# Allegro board ad-fmcmotcon1-ebz_layout.brd (continued)
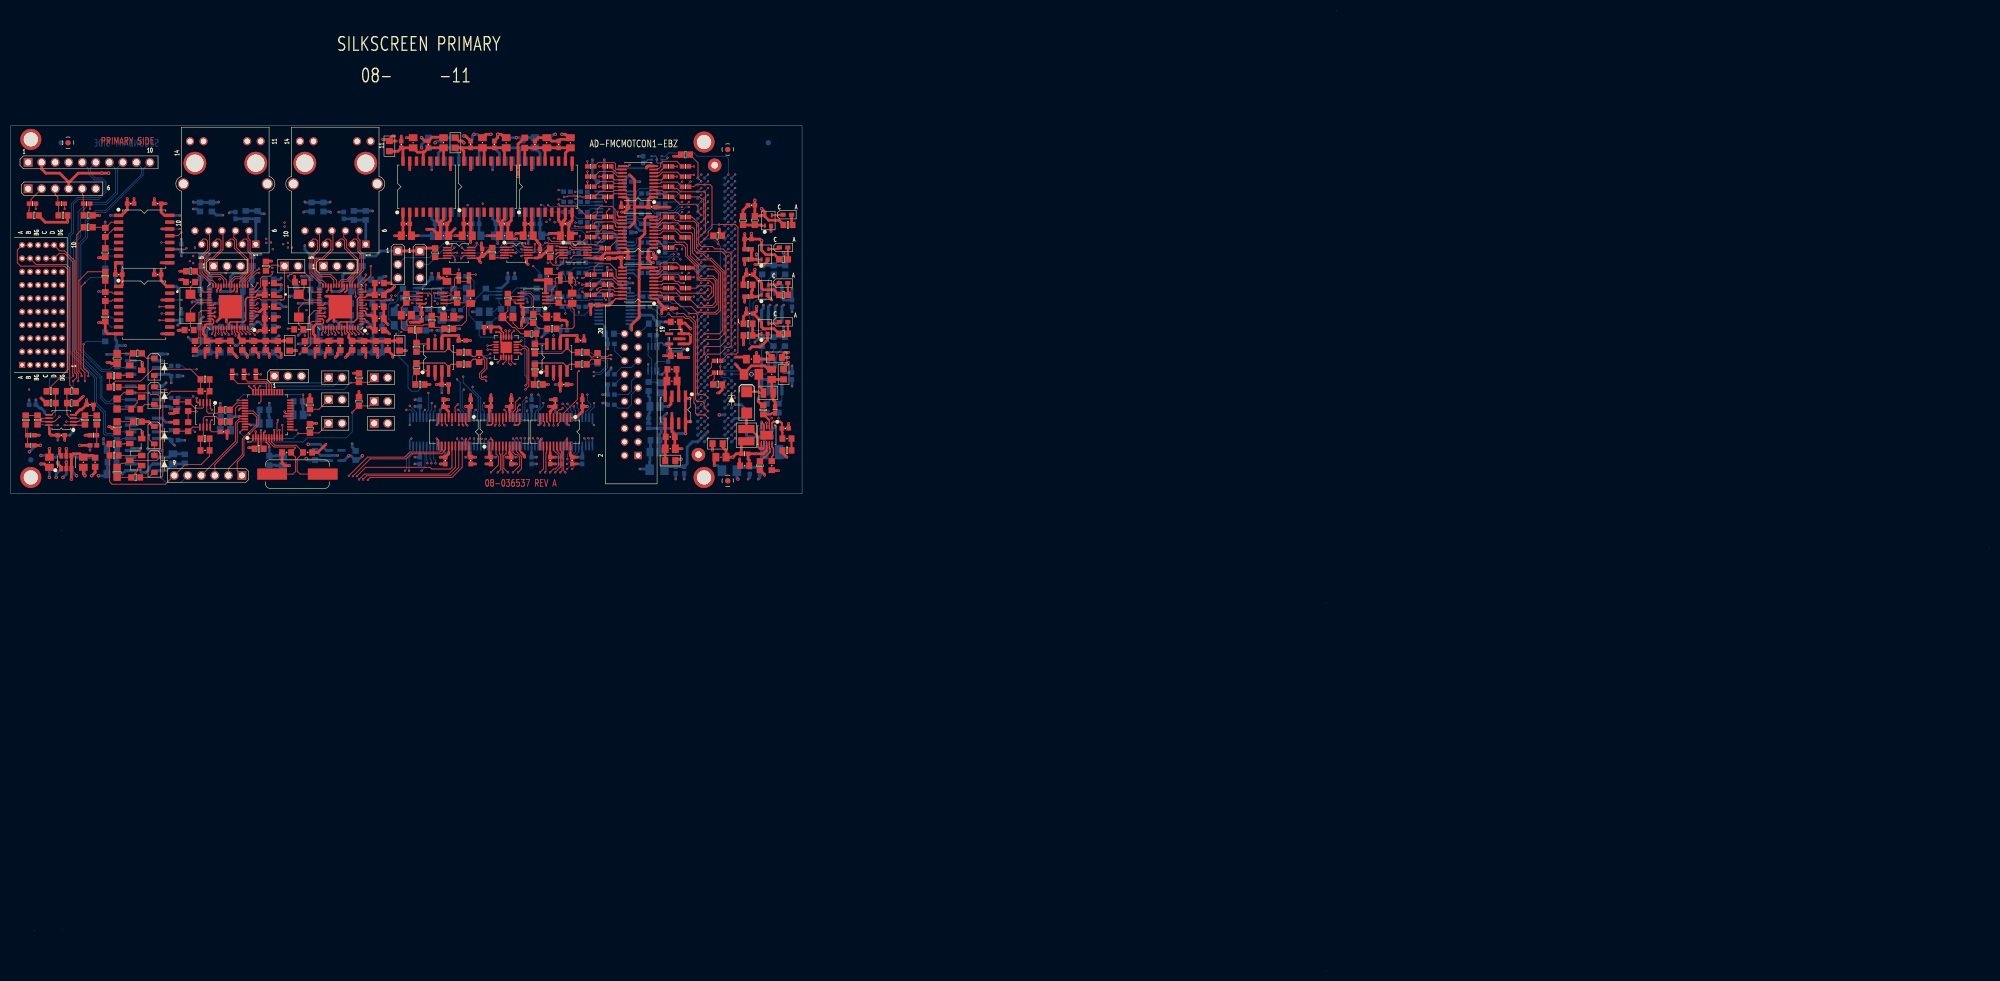
[diagram p0: board, top side]
## Routing (per net, layer and track width the routed paths; a pad name or vN(x,y) marks a point on that pad's centre or on a via; arc(x,y) is an arc through that point) (continued)
UNNAMED_2_ADG3308V2_I297_A2: length 2.5
  BOTTOM w0.152: R225.2 118.36,145.92 117.45,145.01 U7.3
UNNAMED_2_ADG3308V2_I297_A3: length 5.9
  BOTTOM w0.152: R224.2 121.54,144.02 120.65,144.91 117.85,144.91 117.31,144.36 U7.4
UNNAMED_2_ADG3308V2_I297_A4: length 2.3
  BOTTOM w0.152: 118.09,143.71 R237.2 ; 118.09,143.71 118.08,143.71 ; 118.09,143.71 118.08,143.7 118.08,143.71 ; 118.08,143.71 U7.5
UNNAMED_2_ADG3308V2_I297_A5: length 5.7
  BOTTOM w0.152: U7.6 120.06,143.06 121.01,142.11 R51.2
UNNAMED_2_ADG3308V2_I297_A6: length 2.3
  BOTTOM w0.152: R68.2 118.11,142.41 U7.7
UNNAMED_2_ADG3308V2_I297_A7: length 6
  BOTTOM w0.152: R39.2 121.54,140.21 120.52,141.22 117.84,141.22 117.31,141.76 U7.8
UNNAMED_2_ADG3308V2_I297_A8: length 2.5
  BOTTOM w0.152: U7.9 117.46,141.11 118.36,140.21 R238.2
UNNAMED_2_ADG3308V2_I297_Y1: length 2.4
  BOTTOM w0.152: R227.2 108.28,146.24 108.86,145.66 U7.19
UNNAMED_2_ADG3308V2_I297_Y2: length 5.8
  BOTTOM w0.152: R226.2 105.11,146.24 105.8,145.54 106.91,145.54 107.42,145.03 108.81,145.03 108.84,145.01 U7.18
UNNAMED_2_ADG3308V2_I297_Y3: length 2.2
  BOTTOM w0.152: R228.2 109.33,144.34 109.35,144.36 U7.17
UNNAMED_2_ADG3308V2_I297_Y4: length 5.6
  BOTTOM w0.152: U7.16 109.01,143.71 108.94,143.64 106.42,143.64 105.73,144.34 R241.2
UNNAMED_2_ADG3308V2_I297_Y5: length 2.4
  BOTTOM w0.152: U7.15 108.87,143.06 R246.2
UNNAMED_2_ADG3308V2_I297_Y6: length 6.3
  BOTTOM w0.152: U7.14 110.35,142.37 109.45,142.37 108.31,141.22 106.31,141.22 105.11,142.43 R242.2
UNNAMED_2_ADG3308V2_I297_Y7: length 2.7
  BOTTOM w0.152: U7.13 109.64,141.76 108.86,140.98 108.86,140.95 108.44,140.53 R247.2
UNNAMED_2_ADG3308V2_I297_Y8: length 7.4
  BOTTOM w0.152: R243.2 105.07,139.64 105.38,139.32 108.31,139.32 109.19,140.21 109.19,140.72 109.59,141.11 U7.12
UNNAMED_2_ADG3308V2_I389_A1: length 6.4
  BOTTOM w0.152: R52.2 121.86,126.56 120.9,127.51 118.19,127.51 117.43,126.75 117.07,126.75 116.93,126.61 U49.2
UNNAMED_2_ADG3308V2_I389_A2: length 2.7
  BOTTOM w0.152: U49.3 116.92,125.96 117.07,126.11 117.61,126.11 118.06,126.56 R239.2
UNNAMED_2_ADG3308V2_I389_A3: length 6.2
  BOTTOM w0.152: U49.4 117.79,125.31 118.08,125.6 120.9,125.6 121.86,124.65 R64.2
UNNAMED_2_ADG3308V2_I389_A4: length 2.5
  BOTTOM w0.152: U49.5 117.29,124.66 117.3,124.65 R240.2
UNNAMED_2_ADG3308V2_I389_Y1: length 2.5
  BOTTOM w0.152: R248.2 107.98,126.61 U49.19
UNNAMED_2_ADG3308V2_I389_Y2: length 6
  BOTTOM w0.152: R244.2 104.79,126.56 105.5,125.84 108.56,125.84 108.67,125.96 U49.18
UNNAMED_2_ADG3308V2_I389_Y3: length 2.7
  BOTTOM w0.152: U49.17 108.62,125.31 107.96,124.65 R249.2
UNNAMED_2_ADG3308V2_I389_Y4: length 7.1
  BOTTOM w0.152: U49.16 109.27,124.66 107.67,123.06 106.02,123.06 105.07,124.02 105.07,124.33 R245.2
UNNAMED_2_ADM108X_I197_CEXT: length 1.9
  BOTTOM w0.254: A1.5 119.67,152.27 119.35,151.96 119.04,151.96 C20.1
UNNAMED_3_AD7401_I33_VIN: length 5.3
  TOP w0.152: R77.2 17.65,139.57 C24.1 17.81,139.47 18.86,140.53 U8.2
UNNAMED_3_AD7401_I33_VIN_1: length 5.2
  TOP w0.152: R78.2 C24.2 17.81,137.77 19.29,139.26 U8.3
UNNAMED_3_AD7401_I90_VIN: length 4.7
  TOP w0.152: R79.2 C25.1 18.95,127.41 19.16,127.19 U9.2
UNNAMED_3_AD7401_I90_VIN_1: length 4.7
  TOP w0.152: U9.3 19.16,125.92 18.95,125.7 C25.2 R80.2
UNNAMED_3_AD8137_I11_NEGIN: length 4.6
  TOP w0.152: U12.1 100.1,112.59 99.89,112.37 98.65,112.37 98.4,112.12 R99.1 98.4,110.62 98.18,110.4 R94.2
UNNAMED_3_AD8137_I11_NEGOUT: length 9.6
  TOP w0.152: 104.43,116.88 105.23,116.08 R101.1 ; 104.43,116.88 U12.5 ; 104.43,116.88 103.42,115.86 R97.2
UNNAMED_3_AD8137_I11_POSIN: length 4.2
  TOP w0.152: 98.5,117.67 U12.8 ; 98.5,117.67 R97.1 ; 98.5,117.67 98.62,117.78 R93.2
UNNAMED_3_AD8137_I11_POSOUT: length 9.4
  TOP w0.152: U12.4 104.43,113.37 ; 104.43,113.37 104.91,113.86 R102.1 ; 104.43,113.37 103.73,114.07 99.03,114.07 98.72,113.75 R99.2
UNNAMED_3_AD8137_I63_NEGIN: length 4.7
  TOP w0.152: R96.2 76.17,110.26 R100.1 77.48,112.37 77.7,112.59 U13.1
UNNAMED_3_AD8137_I63_NEGOUT: length 9.4
  TOP w0.152: R103.1 83.01,116.08 82.21,116.88 ; 82.21,116.88 81.51,116.18 R98.2 ; 82.21,116.88 U13.5
UNNAMED_3_AD8137_I63_POSIN: length 4.9
  TOP w0.152: R95.2 76.77,120.22 76.17,119.62 R98.1 76.39,117.67 U13.8
UNNAMED_3_AD8137_I63_POSOUT: length 9.3
  TOP w0.152: U13.4 82.21,113.37 ; 82.21,113.37 82.69,113.86 R104.1 ; 82.21,113.37 81.51,114.07 R100.2
UNNAMED_3_AD8646V2_I108_: length 2.9
  TOP w0.152: R85.2 102.79,127.09 101.62,125.91 U10.2
UNNAMED_3_AD8646V2_I108__1: length 8.4
  TOP w0.152: C28.1 101.57,130.68 R83.2 103.16,130.62 102.72,130.18 102.46,130.18 102.21,129.92 102.21,128.46 101.57,127.83 101.57,126.87 101.26,126.56 U10.3
UNNAMED_3_AD8646V2_I108_OUT: length 13.4
  TOP w0.152: R89.1 105.38,120.52 105.77,120.9 105.77,124.04 105.38,124.42 C30.2 105.07,124.97 103.48,124.97 103.06,125.39 R85.1 102.72,125.26 U10.1
UNNAMED_3_AD8646V2_I111_: length 2.7
  TOP w0.152: U10.6 93.85,126.56 R86.2
UNNAMED_3_AD8646V2_I111__1: length 8.6
  TOP w0.152: U10.5 96.66,127.21 96.68,127.19 97.45,127.19 98.08,126.56 R91.2 99.23,123.28 99.76,122.75 C32.1
UNNAMED_3_AD8646V2_I111_OUT: length 11.7
  TOP w0.152: U10.7 93.85,125.91 R86.1 93.32,123.85 92.37,122.9 C34.2 92.37,122.59 94.2,120.76 94.6,120.76 95.8,119.57 R93.1
UNNAMED_3_AD8646V2_I113_: length 2.9
  TOP w0.152: R87.2 83.74,127.09 82.57,125.91 U11.2
UNNAMED_3_AD8646V2_I113__1: length 8.2
  TOP w0.152: U11.3 81.83,126.56 82.02,126.75 82.4,126.75 82.65,127 82.65,127.89 83.29,128.52 83.29,129.92 84.05,130.68 ; 84.05,130.68 82.52,130.68 C29.1 ; 84.05,130.68 R84.2
UNNAMED_3_AD8646V2_I113_OUT: length 11.8
  TOP w0.152: U11.1 82.52,125.26 82.65,125.39 R87.1 86.23,125.39 C31.2 86.27,125.29 85.57,124.59 85.57,122.05 84.68,121.16 83.67,121.16 83.06,120.55 R90.1
UNNAMED_3_AD8646V2_I114_: length 8.6
  TOP w0.152: U11.5 78.63,127.21 79.03,126.81 R92.2 79.07,122.96 79.22,122.81 80.01,122.81 80.07,122.75 C33.1
UNNAMED_3_AD8646V2_I114__1: length 2.7
  TOP w0.152: R88.2 74.37,127.09 74.9,126.56 75.8,126.56 75.81,126.56 U11.6
UNNAMED_3_AD8646V2_I114_OUT: length 9.7
  TOP w0.152: R95.1 73.76,120.27 73.32,120.71 C35.2 73.32,124.49 74.22,125.39 R88.1 74.8,125.91 U11.7
UNNAMED_3_ADA40842_I45_INV: length 4.9
  TOP w0.152: A2.2 12.67,103.05 13.84,104.23 R75.1 R69.2
UNNAMED_3_ADA40842_I45_NINV: length 5.9
  TOP w0.152: A2.3 11.21,103.7 10.55,104.36 R73.1 R70.2
UNNAMED_3_ADA40842_I98_INV: length 4.6
  TOP w0.152: A2.6 5.58,103.7 R76.1 R71.2
UNNAMED_3_ADA40842_I98_NINV: length 5.2
  TOP w0.152: A2.5 7.68,104.35 8.45,105.12 R74.1 R72.2
UNNAMED_3_CAP_I4_N1: length 8.9
  TOP w0.152: R89.2 99.19,120.52 98.13,121.58 R91.1 97.27,121.58 96.22,120.52 95.35,120.52 94.27,121.6 C34.1
UNNAMED_3_CAP_I20_N1: length 4.3
  TOP w0.152: C30.1 105.38,128.44 105.07,128.75 R81.2 R83.1
UNNAMED_3_CAP_I115_N1: length 9.6
  TOP w0.152: C35.1 75.22,122.91 74.28,121.97 74.28,121.4 74.52,121.16 77.44,121.16 77.55,121.26 R92.1 79.12,121.26 79.6,120.78 81,120.78 81.25,120.52 R90.2
UNNAMED_3_CAP_I120_N1: length 4.3
  TOP w0.152: R84.1 R82.2 86.02,129.35 86.33,129.03 C31.1
UNNAMED_3_RES_I135_N1: length 3.9
  TOP w0.152: R229.2 R231.2 R69.1
UNNAMED_3_RES_I137_N1: length 4
  TOP w0.152: R230.2 R232.2 2.83,100.84 R71.1
UNNAMED_4_AD7401_I36_VIN: length 5
  BOTTOM w0.152: R113.2 C45.1 17.78,121.89 18.83,120.84 U14.2
UNNAMED_4_AD7401_I36_VIN_1: length 5.2
  BOTTOM w0.152: U14.3 19.6,122.11 19.15,122.56 18.85,122.56 17.81,123.6 C45.2 R114.2
UNNAMED_4_AD7401_I56_VIN: length 4.7
  BOTTOM w0.152: R115.2 C46.1 17.86,133.96 18.07,134.18 U15.2
UNNAMED_4_AD7401_I56_VIN_1: length 4.7
  BOTTOM w0.152: R116.2 C46.2 18.17,135.66 18.39,135.45 U15.3
UNNAMED_4_AD8137_I9_NEGIN: length 4.8
  BOTTOM w0.152: R130.2 98.82,118.3 R135.1 98.62,117.67 U18.1
UNNAMED_4_AD8137_I9_NEGOUT: length 9.4
  BOTTOM w0.152: 104.43,113.35 103.71,114.07 R133.2 ; 104.43,113.35 U18.5 ; 104.43,113.35 104.43,113.47 104.81,113.86 R137.1
UNNAMED_4_AD8137_I9_POSIN: length 5.3
  BOTTOM w0.152: R129.2 99.89,110.1 98.4,111.58 R133.1 100.41,112.37 U18.8
UNNAMED_4_AD8137_I9_POSOUT: length 9.4
  BOTTOM w0.152: 104.43,116.88 103.73,116.18 R135.2 ; 104.43,116.88 105.23,116.08 R138.1 ; 104.43,116.88 U18.4
UNNAMED_4_AD8137_I65_NEGIN: length 4.7
  BOTTOM w0.152: R132.2 76.28,119.74 76.17,119.63 R136.1 76.39,117.67 U19.1
UNNAMED_4_AD8137_I65_NEGOUT: length 9.3
  BOTTOM w0.152: U19.5 82.21,113.37 ; 82.21,113.37 81.51,114.07 R134.2 ; 82.21,113.37 82.69,113.86 R139.1
UNNAMED_4_AD8137_I65_POSIN: length 5.2
  BOTTOM w0.152: R131.2 75.96,110.1 75.41,110.64 75.41,111.63 76.15,112.37 R134.1 77.66,112.37 77.88,112.59 U19.8
UNNAMED_4_AD8137_I65_POSOUT: length 9.4
  BOTTOM w0.152: 82.21,116.88 83.01,116.08 R140.1 ; 82.21,116.88 U19.4 ; 82.21,116.88 81.51,116.18 R136.2
UNNAMED_4_AD8646V2_I112_: length 6.9
  BOTTOM w0.152: 96.81,124.02 97.76,124.97 97.76,126.23 97.13,126.87 U16.3 ; 96.81,124.02 R119.2 ; 96.81,124.02 C49.1
UNNAMED_4_AD8646V2_I112__1: length 2.9
  BOTTOM w0.152: U16.2 97.54,127.52 R121.2
UNNAMED_4_AD8646V2_I112_OUT: length 12.2
  BOTTOM w0.152: R121.1 98.59,128.17 97.78,128.17 ; 97.78,128.17 97.8,128.14 C51.2 ; 97.78,128.17 U16.1 94.93,128.17 93.52,126.76 93.52,124.93 94.22,124.23 R125.1
UNNAMED_4_AD8646V2_I119_: length 4.6
  BOTTOM w0.152: U16.5 91.65,125.39 92.05,124.99 R127.2 91.24,124.23 90.7,123.7 C53.1
UNNAMED_4_AD8646V2_I119__1: length 2.7
  BOTTOM w0.152: R122.2 89.72,126.87 U16.6
UNNAMED_4_AD8646V2_I119_OUT: length 31.7
  BOTTOM w0.152: R129.1 98.18,110.1 96.49,111.79 96.49,118.62 96.18,118.94 88.24,118.94 87.92,119.25 C55.2 86.02,123.06 86.02,124.33 87.29,125.6 87.29,126.14 R122.1 89.73,127.51 90.77,127.51 90.78,127.52 U16.7
UNNAMED_4_AD8646V2_I127_: length 6.4
  BOTTOM w0.152: C50.1 81.09,124.02 ; 81.09,124.02 81.89,124.82 81.89,124.97 81.89,126.55 81.57,126.87 U17.3 ; 81.09,124.02 R120.2
UNNAMED_4_AD8646V2_I127__1: length 2.9
  BOTTOM w0.152: U17.2 81.98,127.52 R123.2
UNNAMED_4_AD8646V2_I127_OUT: length 10.9
  BOTTOM w0.152: C52.2 83.26,128.14 R123.1 83.04,128.17 U17.1 79.12,128.17 78.97,128.02 78.97,124.8 R126.1
UNNAMED_4_AD8646V2_I134_: length 4.5
  BOTTOM w0.152: C54.1 75.64,123.7 R128.2 76.17,124.99 76.1,125.07 U17.5
UNNAMED_4_AD8646V2_I134__1: length 2.7
  BOTTOM w0.152: U17.6 74.16,126.87 R124.2
UNNAMED_4_AD8646V2_I134_OUT: length 28.4
  BOTTOM w0.152: U17.7 75.41,127.52 75.4,127.51 74.27,127.51 73.74,128.04 R124.1 73.58,128.04 72.68,127.14 72.68,125.92 72.11,125.35 71.22,125.35 70.97,125.09 70.97,122.33 71.98,121.31 C56.2 71.98,121.01 72.87,120.12 72.87,115.25 74.59,113.54 74.59,109.41 75.22,108.78 76.44,108.78 77.66,109.99 R131.1
UNNAMED_4_ADA40842_I44_INV: length 4.9
  BOTTOM w0.152: R105.2 R111.1 5.11,104.23 6.28,103.05 A3.2
UNNAMED_4_ADA40842_I44_NINV: length 6
  BOTTOM w0.152: R106.2 R109.1 8.45,104.23 7.91,103.7 7.21,103.7 A3.3
UNNAMED_4_ADA40842_I98_INV: length 4.6
  BOTTOM w0.152: R107.2 R112.1 13.42,103.7 A3.6
UNNAMED_4_ADA40842_I98_NINV: length 5.6
  BOTTOM w0.152: A3.5 10.75,104.35 10.55,104.55 R110.1 R108.2
UNNAMED_4_CAP_I107_N1: length 5.1
  BOTTOM w0.152: C55.1 89.83,121.31 91.05,122.53 R127.1 R125.2
UNNAMED_4_CAP_I113_N1: length 8.5
  BOTTOM w0.152: R119.1 100.34,124.02 101.26,124.93 C51.1 101.41,126.24 102.53,127.36 102.53,129.1 102.21,129.41 101.61,129.41 100.66,130.37 R117.2
UNNAMED_4_CAP_I122_N1: length 5.2
  BOTTOM w0.152: R126.2 R128.1 75.11,122.53 73.89,121.31 C56.1
UNNAMED_4_CAP_I128_N1: length 8.6
  BOTTOM w0.152: R118.2 86.04,130.37 86.97,129.44 86.97,127.36 85.85,126.24 C52.1 85.7,125.25 84.47,124.02 R120.1
UNNAMED_4_RES_I104_N1: length 3.9
  BOTTOM w0.152: R234.2 R236.2 R107.1
UNNAMED_4_RES_I175_N2: length 4
  BOTTOM w0.152: R105.1 2.83,102.43 3.15,102.11 3.15,101.16 3.14,101.15 3.15,101.14 R235.2 R233.2
UNNAMED_5_AD2S1210_I28_A: length 5
  TOP w0.152: R155.1 46.33,111 48.02,111 48.98,110.03 U26.29
UNNAMED_5_AD2S1210_I28_B: length 6.7
  TOP w0.152: R156.1 43.79,111.28 44.54,110.53 48.02,110.53 48.48,110.07 U26.30
UNNAMED_5_AD2S1210_I28_CLKIN: length 16
  TOP w0.152: Y1.2 53,93.22 53.44,93.66 53.44,96.43 52.64,97.23 C70.1 52.64,97.33 53.44,98.13 53.44,98.17 53.31,98.3 49.44,98.3 48.48,99.25 U26.7
UNNAMED_5_AD2S1210_I28_EXC: length 3.4
  TOP w0.152: U26.38 42.39,106.58 41.15,105.33 R158.1
UNNAMED_5_AD2S1210_I28_EXCN: length 5
  TOP w0.152: R159.1 41.15,103.11 42.2,104.17 42.2,105.6 42.68,106.08 U26.39
UNNAMED_5_AD2S1210_I28_NM: length 8.5
  TOP w0.152: U26.31 47.98,110.1 47.89,110.2 42.65,110.2 41.57,111.28 R157.1
UNNAMED_5_AD2S1210_I28_REFBYP: length 5.4
  TOP w0.254: U26.46 44.9,102.58 v1(45.06,102.43)
  BOTTOM w0.508: v1(45.06,102.43) 46.33,102.43 C74.1 46.65,105.18 C72.1
UNNAMED_5_AD8662_I121_: length 9.3
  TOP w0.152: R160.1 C79.1 36.81,108.25 A4.2 36.81,104.96 37.12,104.65 38.86,104.65 39.45,105.23 R158.2
UNNAMED_5_AD8662_I121__1: length 6.5
  TOP w0.152: A4.3 36.16,105.75 36.01,105.6 34.58,105.6 33.41,106.77 R162.2 R164.1
UNNAMED_5_AD8662_I121_OUT: length 16.9
  TOP w0.152: v1(29.18,109.09) 27.6,109.09 27.1,109.59 D1.C D2.A ; A4.1 37.46,105.58 v1(37.76,105.28)
  L4_SIGV w0.152: v1(29.18,109.09) 29.18,107.82 30.2,106.81 33.5,106.81 34.52,105.79 37.25,105.79 v1(37.76,105.28)
UNNAMED_5_AD8662_I122_: length 10.1
  TOP w0.152: C80.1 R161.1 36.16,100.41 A4.6 36.16,103.69 36.49,104.01 38.54,104.01 39.45,103.11 R159.2
UNNAMED_5_AD8662_I122__1: length 4.7
  TOP w0.152: R165.1 R163.2 33.36,101.26 34.14,102.03 A4.5
UNNAMED_5_AD8662_I122_OUT: length 20
  TOP w0.152: v1(26.01,100.52) 26.01,99.68 26.81,98.88 D4.A D3.C ; A4.7 v1(36.81,103.38)
  L4_SIGV w0.152: v1(36.81,103.38) 34.9,103.38 34.26,104.01 26.33,104.01 26.01,103.7 v1(26.01,100.52)
UNNAMED_5_ADG704_I125_EN: length 2.4
  TOP w0.152: U21.5 81.13,133.75 81.11,133.73 80.11,133.73 79.88,133.96 R145.1
UNNAMED_5_ADG704_I136_EN: length 2.3
  TOP w0.152: U25.5 91.41,133.81 91.37,133.86 90.65,133.86 90.49,134.02 R149.1
UNNAMED_5_ADG704_I141_EN: length 4.7
  TOP w0.152: R144.1 101.26,133.03 101.83,132.46 103.23,132.46 103.77,133.01 U20.5
UNNAMED_5_ADN4662_I7_ROUT: length 2.7
  BOTTOM w0.203: R141.2 29.82,101.16 U22.7
UNNAMED_5_ADN4662_I13_ROUT: length 2.7
  BOTTOM w0.152: U23.7 28.91,107.19 29.22,107.51 R142.2
UNNAMED_5_ADN4662_I22_ROUT: length 2.7
  BOTTOM w0.203: U24.7 29.82,113.22 R143.2
UNNAMED_5_DIO_I89_P: length 3
  TOP w0.152: R167.2 24.32,105.46 25.17,106.31 D1.A
UNNAMED_5_DIO_I90_N: length 2.7
  TOP w0.152: D2.C 25.49,114.99 24.64,115.84 R168.1
UNNAMED_5_DIO_I107_N: length 2.7
  TOP w0.508: R172.1 25.91,103.06 26.81,102.16 D4.C
UNNAMED_5_DIO_I110_P: length 3
  TOP w0.152: R171.2 25.91,92.58 26.81,93.48 D3.A
UNNAMED_5_RES_I86_N2: length 5.8
  TOP w0.152: R166.2 R167.1 22.62,105.46 23.74,106.58 23.74,106.98 24.4,107.65 Q1.1
UNNAMED_5_RES_I91_N2: length 5.4
  TOP w0.152: Q2.1 22.35,115.3 R168.2 R169.1
UNNAMED_5_RES_I93_N1: length 4.3
  TOP w0.152: Q1.2 23.67,109.52 23.66,109.54 R174.1
UNNAMED_5_RES_I94_N2: length 2.1
  TOP w0.152: R175.2 21.36,111.7 21.44,111.77 Q2.2
UNNAMED_5_RES_I101_N1: length 5.4
  TOP w0.152: R173.1 R172.2 22.35,102.48 Q4.1
UNNAMED_5_RES_I109_N1: length 5.8
  TOP w0.152: R170.2 R171.1 22.62,92.63 23.74,93.75 23.74,94.16 24.4,94.82 Q3.1
UNNAMED_5_RES_I112_N2: length 2.1
  TOP w0.152: R177.2 21.36,98.87 21.44,98.95 Q4.2
UNNAMED_5_RES_I113_N1: length 4.3
  TOP w0.152: Q3.2 23.67,96.7 23.66,96.71 R176.1
UNNAMED_6_AT24C32_I142_A0: length 2.9
  BOTTOM w0.152: R193.2 144.17,106.45 144.75,107.04 U27.1
UNNAMED_6_AT24C32_I142_A1: length 3.3
  BOTTOM w0.152: R195.2 142.53,107.09 142.53,107.35 143.48,108.31 143.48,109.09
UNNAMED_6_AT24C32_I142_WP: length 3.9
  BOTTOM w0.152: 143.48,114.17 143.48,114.81 143.8,115.13 143.8,115.79 145.28,117.26 R194.2
UNNAMED_6_AT24C32_I156_WP: length 3.7
  BOTTOM w0.152: R13.2 145.34,130.72 143.8,129.18 143.8,129.1 143.48,128.78 143.48,127.83
UNNAMED_6_CN6P_I40_N2: length 6.1
  TOP w0.152: P7.2 3.82,144.82 3.82,144.37 R181.1 3.47,142.75 3.4,142.68 3.4,141.99 3.57,141.82 R180.2
UNNAMED_6_CN6P_I40_N3: length 5.3
  TOP w0.152: R179.2 8.97,143.92 8.86,144.02 8.86,145.22 8.36,145.73 P7.3
UNNAMED_6_CN6P_I40_N5: length 5.1
  TOP w0.152: R178.2 13.73,143.92 R183.1 13.63,145.54 13.44,145.73 13.44,146.81
UNNAMED_6_CN20PV2_I55_N8: length 4
  BOTTOM w0.152: R190.1 113.32,116.4 P10.16
UNNAMED_6_CN20PV2_I55_N10: length 2
  BOTTOM w0.152: R189.2 P10.20
UNNAMED_6_CN160PCDGHV2_I8_PRSNT: length 6.8
  TOP w0.152: R191.2 127.51,153.17 129.01,151.68 129.01,148.83 v1(129.63,148.21)
  BOTTOM w0.152: P1.H2 v1(129.63,148.21)
UNNAMED_7_CAP_I18_N1: length 7.3
  TOP w0.152: C134.1 34.63,116.5 35.69,117.55 35.69,121.63 35.96,121.9 U28.41
UNNAMED_7_CAP_I18_N2: length 7.8
  TOP w0.152: U28.37 35.74,123.9 35.34,123.5 35.34,118.91 34.63,118.2 C134.2
UNNAMED_7_CAP_I83_N1: length 8.2
  TOP w0.152: U28.34 35.01,125.4 33.76,124.14 Y2.2 33.76,120.87 C136.1
UNNAMED_7_CAP_I89_N1: length 6.6
  TOP w0.152: C135.1 34.61,129.24 33.76,128.38 Y2.1 33.81,126.99 34.9,125.9 U28.33
UNNAMED_7_CAP_I101_N1: length 20.1
  L4_SIGV w0.508: v1(39.03,144.34) 44.78,144.34 P13.GND1 ; P13.GND2 32.42,145.22 33.31,144.34 v1(34.26,144.34)
  BOTTOM w0.508: v1(39.03,144.34) 38.93,144.23 C140.1 R199.1 34.37,144.23 v1(34.26,144.34)
UNNAMED_7_CAP_I103_N1: length 9.1
  BOTTOM w0.508: C139.1 43.89,141.16 C138.1 44.32,141.16 46.11,141.16 C137.1 46.01,140.63 P13.1
UNNAMED_7_IC88E151X_I25_RSET: length 5.6
  TOP w0.152: R197.1 34.61,131.27 35.66,130.21 35.66,128.02 36.28,127.4 U28.30
UNNAMED_8_CAP_I3_N1: length 19.9
  L4_SIGV w0.508: v1(59.98,144.34) 65.42,144.34 P15.GND1 ; P15.GND2 53.06,145.54 54.27,144.34 v1(55.22,144.34)
  BOTTOM w0.508: v1(59.98,144.34) 59.88,144.23 C185.1 R201.1 55.32,144.23 v1(55.22,144.34)
UNNAMED_8_CAP_I6_N1: length 8.8
  BOTTOM w0.508: C184.1 64.21,141.16 C183.1 C182.1 P15.1
UNNAMED_8_CAP_I10_N1: length 8.7
  TOP w0.152: U29.34 55.02,125.4 54.08,124.46 Y3.2 54.08,121.3 54.93,120.45 C181.1
UNNAMED_8_CAP_I12_N1: length 7
  TOP w0.152: U29.33 55.22,125.9 54.13,126.99 Y3.1 55.05,127.97 C180.1
UNNAMED_8_CAP_I81_N1: length 7.3
  TOP w0.152: C179.1 55.27,116.5 56.33,117.55 56.33,121.63 56.6,121.9 U29.41
UNNAMED_8_CAP_I81_N2: length 7.4
  TOP w0.152: C179.2 55.85,118.83 55.85,122.75 57.01,123.9 U29.37
UNNAMED_8_IC88E151X_I23_RSET: length 11.6
  TOP w0.152: v1(52.04,130.37) 52.36,130.68 52.68,130.68 53,131 55.22,131 56.17,130.05 56.17,127.83 56.6,127.4 U29.30
  BOTTOM w0.152: R200.1 53.61,128.36 52.04,129.92 v1(52.04,130.37)
UNNAMED_9_ADA40842_I58_INV: length 4
  BOTTOM w0.152: A6.2 120.95,113.93 121.39,114.36 R206.1
UNNAMED_9_ADA40842_I58_NINV: length 9.5
  BOTTOM w0.152: R205.1 121.11,110.36 120.95,110.52 R204.2 120.3,111.08 A6.3 120.3,114.81 119.65,115.46 A6.5
UNNAMED_9_ADA40842_I63_INV: length 2.3
  BOTTOM w0.152: R207.1 119.99,119.25 120.31,118.94 120.3,118.93 A6.6
UNNAMED_9_ADCMP35X_I5_OUT: length 2.2
  TOP w0.381: A9.3 143.98,121.5 DS7.C
UNNAMED_9_ADCMP35X_I5_VIN: length 4
  TOP w0.305: 140.21,119.25 140.5,119.54 A9.1
  TOP w0.508: R216.1 R215.2 140.21,119.25
UNNAMED_9_ADCMP35X_I11_OUT: length 2.2
  TOP w0.381: A8.3 143.98,128.81 DS3.C
UNNAMED_9_ADCMP35X_I11_VIN: length 4.3
  TOP w0.305: 140.31,126.56 140.6,126.85 A8.1
  TOP w0.508: 140.31,126.56 R212.2 139.04,127.56 139.26,127.77 R213.1
UNNAMED_9_ADCMP35X_I39_OUT: length 2.2
  TOP w0.381: A7.3 143.98,135.47 DS2.C
UNNAMED_9_ADCMP35X_I39_VIN: length 3.8
  TOP w0.305: A7.1 140.02,133.51 139.99,133.54
  TOP w0.508: R210.1 R209.2 139.99,133.54
UNNAMED_9_ADCMP35X_I45_OUT: length 2.1
  TOP w0.305: A5.3 144.08,141.82 144.18,141.92 DS1.C
UNNAMED_9_ADCMP35X_I45_VIN: length 4.2
  TOP w0.305: A5.1 140.97,139.86 140.94,139.89
  TOP w0.508: 140.94,139.89 140.84,139.99 R202.2 R203.1
UNNAMED_9_CAP_I101_N1: length 18.7
  BOTTOM w0.508: U33.16 99.35,153.54 C265.1 ; U33.10 91.73,153.5 90.78,154.46 C266.1 C267.1 C264.1 ; C264.1 95.54,153.86 U33.13 ; C264.1 C265.1 ; C265.1 E7.1
UNNAMED_9_DIOLED_I2_P: length 2.2
  TOP w0.381: R217.2 145.92,120.47 145.87,120.52 DS7.A
UNNAMED_9_DIOLED_I8_P: length 2.2
  TOP w0.381: R214.2 145.92,127.77 145.87,127.83 DS3.A
UNNAMED_9_DIOLED_I23_P: length 2.2
  TOP w0.381: R211.2 145.92,134.44 145.87,134.49 DS2.A
UNNAMED_9_DIOLED_I42_P: length 2
  TOP w0.508: DS1.A 146.57,140.2 R208.2
UNNAMED_16_ADM660_I34_CAP: length 5.3
  TOP w0.508: U39.4 122.85,110.36 C230.2 123.16,112.8 C228.2
UNNAMED_16_ADM660_I34_CAP_1: length 5.3
  TOP w0.508: U39.2 125.39,110.36 C230.1 125.07,112.8 C228.1
UNNAMED_16_ADM660_I34_OUT: length 7.1
  TOP w0.508: E12.1 C237.1 122.95,98.08 C239.1 122.85,100.3 U39.5
UNNAMED_16_ADM660_I57_CAP: length 5.6
  BOTTOM w0.508: U37.4 29.18,93.85 C223.2 32.58,95.12 C222.2
UNNAMED_16_ADM660_I57_CAP_1: length 5.4
  BOTTOM w0.508: C222.1 32.58,97.03 C223.1 29.82,96.39 U37.2
UNNAMED_16_ADM660_I57_OUT: length 7.3
  BOTTOM w0.508: E11.1 19.98,96.55 19.88,96.44 C227.1 19.88,93.32 19.98,93.22 20.93,93.22 21.56,93.85 U37.5
UNNAMED_16_ADP1614_I150_CLRES: length 4.3
  TOP w0.254: U34.9 142.4,98.12 142.53,97.98 142.53,97.35 141.59,96.4 141.42,96.4 140.68,95.66 R219.1
UNNAMED_16_ADP1614_I150_COMP: length 5.8
  TOP w0.254: U34.1 142.9,102.79
  TOP w0.381: 142.9,102.79 143.17,103.06 144.44,103.06 144.75,102.74 C206.1 144.75,101.17 144.86,101.07 C202.1
UNNAMED_16_ADP1614_I150_EN: length 15.8
  TOP w0.254: v1(141.83,102.87) 141.9,102.81 U34.3 ; U34.8 141.9,97.66
  TOP w0.508: 141.9,97.66 141.26,97.03 v1(139.99,97.03) R222.2 138.4,96.02 138.62,95.81 C213.1
  L4_SIGV w0.152: v1(139.99,97.03) 141.58,97.03 141.83,97.28 v1(141.83,102.87)
UNNAMED_16_ADP1614_I150_FB: length 5.2
  TOP w0.254: U34.2 142.4,103.35
  TOP w0.381: R220.1 142.86,104.65 142.65,104.43 141.31,104.43 ; 141.31,104.43 R218.2 ; 141.31,104.43 142.4,103.35
UNNAMED_16_ADP1614_I150_SS: length 3.6
  TOP w0.254: C199.1 142.85,96.48 143.17,96.8 143.17,98.06 142.9,98.33 U34.10
UNNAMED_16_ADP1614_I150_SW1: length 11.1
  TOP w0.254: 140.63,97.98 140.9,98.25 U34.6 ; U34.7 141.4,98.12 141.26,97.98
  TOP w0.381: D5.A 138.15,103.45 138.09,103.39 L1.2 138.85,101.66 140.31,100.2 140.31,98.3 140.63,97.98 141.26,97.98
UNNAMED_16_ADUM5000_I20_VISO1: length 17.9
  TOP w0.508: U40.16 73.63,154.18 C234.1 ; 77.44,153.68 U40.13 ; 77.44,153.68 77.53,153.76 77.7,153.76 78.4,154.46 C236.1 C235.1 U40.10 ; 77.44,153.68 76.35,153.68 C238.1 C234.1 ; E20.1 72.68,153.86 C234.1
UNNAMED_16_ADUM5000_I90_VISO1: length 16.6
  TOP w0.508: C214.1 100.3,154.18 100.3,151.99 ; C214.1 C216.1 C218.1 104.11,153.54 U35.10 ; C214.1 C211.1 E8.1 U35.16
UNNAMED_16_ADUM5000_I102_VISO1: length 17.6
  TOP w0.508: U36.10 92.68,154.18 C219.1 C217.1 C215.1 ; U36.13 88.87,154.18 C215.1 ; U36.16 85.06,153.86 84.43,154.5 ; C215.1 C212.1 84.43,154.5 ; 84.43,154.5 E18.1
UNNAMED_16_CAP_I128_N2: length 2.2
  TOP w0.381: C202.2 R221.1
UNNAMED_16_CAP_I134_N1: length 7.1
  TOP w0.381: D5.C 140.39,108.67 140.6,108.46 L2.1 141.33,108.84 140.44,109.73 C220.1
UNNAMED_16_CAP_I135_N1: length 7.6
  TOP w0.508: E10.1 C221.1 142.85,108.71 L2.2 143.1,107.15 143.48,106.77 143.48,105.92
UNNAMED_16_CAP_I158_N1: length 18.7
  BOTTOM w0.508: C261.1 80.94,154.18 80.3,153.54 U47.10 ; C261.1 E19.1 ; C261.1 C262.1 ; U47.13 84.11,153.54 C262.1 ; C262.1 C259.1 C260.1 87.92,154.18 U47.16
VADJ: length 58
  TOP w0.305: 119.67,135.33 120.04,135.7 U2.1 ; U4.1 121.33,126.17 121.58,125.92 121.58,125.56
  TOP w0.508: v1(133.01,139.26) 133.01,138.62 133.32,138.3 133.32,138.2 R185.1 ; R198.1 48.02,133.22 v1(49,133.22) ; v1(116.18,149.42) 117.13,148.46 117.13,143.38 ; 117.13,143.38 117.13,140.53 v1(116.18,139.57) ; 117.13,143.38 C1.1 119.67,144.86 120.04,145.22 U1.1 ; R209.1 v1(137.77,132.49) ; v1(120.62,132.91) 120.31,132.91 119.67,133.54 C2.1 119.67,135.33 ; v1(132.69,108.46) 132.96,108.46 133.54,109.04 R186.1 ; 121.58,125.56 121.62,125.56 C4.1 122.53,124.33 122.21,124.02 v1(122.21,123.38) ; E4.1 v1(74.27,116.4) ; E1.1 v1(53.7,116.4)
  BOTTOM w0.152: 130.81,101.13 v1(130.9,101.22)
  BOTTOM w0.254: U3.1 115.59,136.78 115.23,137.15 ; 115.23,146.67 115.59,146.31 U7.1 ; v1(116.18,128.14) 116.25,128.07 U49.1
  BOTTOM w0.508: v1(116.18,149.42) 115.23,148.46 C12.1 115.23,146.67 115.23,146.67 ; C93.1 123.29,94.61 C94.1 C95.1 126.47,94.61 126.97,95.12 126.97,98.3 127.96,99.28 P1.H40 v1(129.63,99.95) P1.G39 130.81,101.13 ; v1(116.18,128.14) 114.91,128.14 114.59,128.46 114.59,128.78 C276.1 ; v1(116.18,139.57) 115.54,139.57 115.23,139.26 C3.1 115.23,137.15 115.23,137.15
  vias: v1(52.04,128.46)
VAUX0_N: length 49
  TOP w0.152: v1(96.62,109.09) 97.26,109.73 97.26,116.71 96.75,117.22 95.99,117.22 95.68,117.53 U43.9
  L5_SIGH w0.152: P10.6 116.31,100.71 120.24,100.71 120.88,101.35 120.88,107.57 120.5,107.95 113.13,107.95 112.37,107.19 103.16,107.19 101.64,108.71 99.37,108.71 98.59,109.5 97.03,109.5 v1(96.62,109.09)
VAUX0_P: length 48.6
  TOP w0.152: v1(96.62,109.85) 96.91,110.14 96.91,116.5 96.61,116.8 96.07,116.8 95.8,116.53 U43.7
  L5_SIGH w0.152: P10.3 116.79,99.25 116.6,99.44 116.6,99.83 117.1,100.33 120.37,100.33 121.26,101.22 121.26,107.7 120.62,108.33 113,108.33 112.18,107.51 103.29,107.51 101.7,109.09 99.54,109.09 98.78,109.85 v1(96.62,109.85)
XADC_2V5: length 5.5
  BOTTOM w0.152: P10.15 116.5,113.22 114.63,113.22 113.36,111.95 C85.1
XADC_AV5V: length 7.1
  BOTTOM w0.152: C83.1 115.86,108.14 116.5,108.78 116.5,110.68 P10.13
XADC_AVDD: length 2.7
  BOTTOM w0.152: C84.1 113.36,110.05 113.92,110.6 113.92,110.64 P10.14
XADC_IA_N: length 43.2
  TOP w0.152: R101.2 108.14,116.03 108.97,115.2 109.32,115.2 110.1,115.98 C40.1 110.2,115.98 110.91,115.27 112.02,115.27 112.32,115.57 v1(112.73,115.57) ; U43.13 93,120.07 v1(92.87,120.21)
  L5_SIGH w0.152: v1(112.73,115.57) 113.39,115.57 113.96,115 113.96,113.28 111.45,110.78 105.29,110.78 103.8,112.27 98.78,112.27 97.76,111.25 92.81,111.25 91.92,112.14 91.92,114.55 92.87,115.5 v1(92.87,120.21)
XADC_IA_P: length 34.6
  TOP w0.152: R102.2 108.14,113.91 109.04,114.81 109.45,114.81 109.98,114.27 C40.2 110.2,114.27 110.86,114.94 112.5,114.94 112.62,114.81 v1(112.69,114.81) ; v1(92.43,113.92) 93,114.49 U43.3
  L5_SIGH w0.152: v1(112.69,114.81) 112.97,115.09 113.36,115.09 113.51,114.94 113.51,113.31 111.3,111.09 105.61,111.09 104.11,112.59 98.65,112.59 97.7,111.63 92.94,111.63 92.43,112.14 v1(92.43,113.92)
XADC_IB_N: length 44.1
  TOP w0.152: R103.2 85.92,116.03 86.62,115.32 86.67,115.32 86.68,115.32 87.22,115.32 87.88,115.98 C41.1 87.97,115.98 88.76,115.19 89,115.19 89.38,114.81 89.38,113.03 88.38,112.03 88.38,111.49 88.49,111.38 88.73,111.38 88.86,111.51 v1(89.26,111.51)
  L5_SIGH w0.152: v1(89.26,111.51) 89.38,111.38 90.4,111.38 91.16,110.62 91.16,109.73 94.08,106.81 94.08,105.03 95.35,103.76 109.07,103.76 110.92,105.61 116,105.61 116.51,105.1 116.51,104.64 116.81,104.33 P10.7
XADC_IB_P: length 43.2
  TOP w0.152: v1(89.26,110.74) 88.98,111.02 88.34,111.02 87.99,111.38 87.99,112.14 88.98,113.13 88.98,114.58 88.75,114.81 88.46,114.81 C41.2 87.76,114.27 87.22,114.81 86.82,114.81 85.92,113.91 R104.2
  L5_SIGH w0.152: v1(89.26,110.74) 89.53,111.01 90.26,111.01 90.78,110.49 90.78,109.6 93.7,106.68 93.7,104.9 95.22,103.38 109.19,103.38 111.1,105.28 115.86,105.28 116.18,104.97 116.18,104.65 115.86,104.33 P10.8
XADC_IT_N: length 35.2
  TOP w0.152: U43.12 93.5,120.07 v1(93.64,120.21)
  L5_SIGH w0.152: v1(109.45,112.39) 110.08,112.39 110.34,112.65 110.34,113.41 110.08,113.66 97.38,113.66 96.62,112.9 93.95,112.9 93.32,113.54 93.32,119.89 v1(93.64,120.21)
  BOTTOM w0.152: v1(109.45,112.39) 109.58,112.27 110.59,112.27 111.73,113.41 111.73,114.17 111.42,114.49 110.78,114.49 110.25,113.96 C61.1 109.33,113.96 109.23,113.86 R137.2
XADC_IT_P: length 31.4
  TOP w0.152: v1(93.83,113.79) 93.7,113.79 93.5,113.99 U43.4
  L5_SIGH w0.152: v1(109.45,111.63) 109.58,111.63 109.83,111.89 110.46,111.89 110.72,112.14 110.72,113.79 110.46,114.05 97.26,114.05 96.43,113.22 94.4,113.22 v1(93.83,113.79)
  BOTTOM w0.152: v1(109.45,111.63) 109.77,111.95 110.78,111.95 112.05,113.22 112.05,114.49 111.42,115.13 110.78,115.13 110.25,115.66 C61.2 109.33,115.66 108.92,116.08 R138.2
XADC_MUX_A0: length 40.9
  TOP w0.152: U43.19 90.33,116.53 90.27,116.59 v1(89.51,116.59)
  L5_SIGH w0.152: v1(89.51,116.59) 90.34,116.59 90.91,117.16 90.91,118.11 90.27,118.75 88.62,118.75 88.24,119.13 88.24,120.76 89.14,121.67 95.91,121.67 96.39,121.18 96.39,117.96 97.38,116.97 111.23,116.97 112.24,117.98 114.27,117.98 P10.18
XADC_MUX_A1: length 43.5
  TOP w0.152: U43.17 90.37,117.53 90.18,117.35 v1(89.51,117.35)
  L5_SIGH w0.152: v1(89.51,117.35) 89.8,117.06 90.17,117.06 90.46,117.35 90.46,117.98 90.14,118.3 88.56,118.3 87.86,119 87.86,120.9 89,122.05 95.99,122.05 96.75,121.28 96.75,118.11 97.51,117.35 111.1,117.35 112.05,118.3 116.5,118.3 P10.17
XADC_MUX_EN: length 44.5
  TOP w0.152: U43.1 92,114.76 v1(91.41,114.17)
  L5_SIGH w0.152: v1(91.41,114.17) 91.03,113.79 91.03,111.89 92.3,110.62 98.27,110.62 99.16,111.51 102.59,111.51 104.88,109.22 110.97,109.22 114.78,113.03 118.47,113.03 118.85,113.41 118.85,118.49 P10.19
  BOTTOM w0.152: R184.2 119.77,121.42 118.57,120.22 118.41,120.22 P10.19
XADC_VBUS_N: length 16
  TOP w0.152: v1(94.46,120.14) 94,119.68 U43.11
  L5_SIGH w0.152: v1(94.46,120.14) 94.46,120.55 94.23,120.78 92.62,120.78 92.37,120.52 92.37,116.78 90.89,115.3 90.31,115.3 v1(90.02,115.01)
  BOTTOM w0.152: v1(90.02,115.01) 88.82,115.01 88.09,114.27 C62.1 87.82,114.27 87.29,114.81 86.82,114.81 85.92,113.91 R139.2
XADC_VBUS_P: length 23.3
  TOP w0.152: U43.5 94,114.39 94.48,113.92 v1(94.72,113.92)
  L5_SIGH w0.152: v1(94.72,113.92) 94.72,119.25 95.1,119.63 95.1,120.78 94.72,121.16 92.21,121.16 91.73,120.68 91.73,117.14 90.41,115.82 v1(90.02,115.82)
  BOTTOM w0.152: v1(90.02,115.82) 89.95,115.76 89.83,115.76 89.51,115.44 88.56,115.44 88.02,115.98 C62.2 87.87,115.98 87.17,115.28 86.82,115.28 86.02,116.08 R140.2
XADC_VREF: length 7.4
  BOTTOM w0.152: P10.11 116.5,108.14 116.5,106.24 115.86,105.6 114,105.6 113.36,106.24 C82.1
XTALOUT: length 16.6
  TOP w0.152: U26.8 48.98,99.25 49.61,98.63 53.58,98.63 54.88,97.33 C69.1 54.88,97.23 53.77,96.13 53.77,93.78 54.33,93.22 58.57,93.22

## Copper pours and planes (outline as drawn; the poured copper is in the pictures)
0V5_REF_1 on L3_PWR: 73.95,112.9 73.95,108.46 119.99,108.46 119.99,96.39 123.16,96.39 123.16,112.9
0V5_REF_2 on L3_PWR: 77.76,122.75 77.76,117.98 121.89,117.98 121.89,122.75
2V5_REF_1 on L3_PWR: 5.05,99.57 5.05,97.35 13.63,97.35 13.63,99.57
2V5_REF_2 on L3_PWR: 1.24,91 1.24,99.57 4.42,99.57 4.42,96.71 14.26,96.71 14.26,99.89 16.8,99.89 16.8,94.81 10.45,94.81 10.45,91
3V3_ADC_A on L3_PWR: 33.31,114.81 33.31,118.3 25.69,118.3 25.69,145.29 32.99,145.29 32.99,128.78 36.17,128.78 36.17,118.3 76.81,118.3 76.81,117.35 123.16,117.35 123.16,113.54 73.95,113.54 73.95,114.81
3V3_AUX on L3_PWR: 133.96,109.09 133.96,119.25 141.9,119.25 141.9,147.51 115.54,147.51 115.54,157.35 147.29,157.35 147.29,109.09
3V3_SENS_ISO on L3_PWR: 29.18,102.43 29.18,95.76 46.96,95.76 46.96,100.52 57.12,100.52 57.12,91 109.83,91 109.83,100.84 72.68,100.84 72.68,113.54 32.04,113.54 32.04,117.03 25.37,117.03 25.37,102.43
5V0 on L6_PWR: 69.82,136.4 112.37,136.4 112.37,149.73 139.04,149.73 139.04,127.51 133.32,127.51 133.32,117.98 142.53,117.98 142.53,112.27 147.29,112.27 147.29,157.35 107.61,157.35 107.61,147.19 102.53,147.19 102.53,145.29 69.82,145.29
5V0_A on L6_PWR: 73.95,102.11 73.95,114.17 76.17,114.17 76.17,131.95 112.37,131.95 112.37,121.16 128.88,121.16 128.88,99.57 137.45,99.57 137.45,117.35 141.9,117.35 141.9,111.63 147.29,111.63 147.29,91 127.61,91 127.61,97.35 121.26,97.35 121.26,106.55 102.84,106.55 102.84,109.09 104.11,109.09 104.11,114.17 108.88,114.17 108.88,120.21 98.72,120.21 98.72,121.16 91.1,121.16 91.1,118.94 86.97,118.94 86.97,121.16 82.84,121.16 82.84,119.25 80.62,119.25 80.62,109.73 79.35,109.73 79.35,102.11
5V0_ADC_ISO on L3_PWR: 19.66,113.54 24.74,113.54 24.74,117.03 24.42,117.03 24.42,146.56 96.49,146.56 96.49,151 29.82,151 29.82,149.1 19.66,149.1
5V0_DI_ISO on L6_PWR: 20.29,91 20.29,109.41 1.24,109.41 1.24,157.35 72.68,157.35 72.68,152.91 19.66,152.91 19.66,113.54 28.55,113.54 28.55,95.12 72.36,95.12 72.36,100.84 109.83,100.84 109.83,91
5V0_FE_ISO on L3_PWR: 11.09,91 11.09,94.17 17.44,94.17 17.44,100.52 13.31,100.52 13.31,100.2 1.24,100.2 1.24,157.35 106.34,157.35 106.34,148.46 101.26,148.46 101.26,146.56 97.13,146.56 97.13,151.64 79.98,151.64 79.98,154.81 79.35,155.45 8.86,155.45 8.86,139.26 15.21,139.26 15.21,106.87 20.29,106.87 20.29,98.62 26.33,98.62 26.33,91
5V0_RDC_ISO on L6_PWR: 101.26,148.46 106.34,148.46 106.34,157.35 73.63,157.35 73.63,152.27 20.29,152.27 20.29,114.17 29.18,114.17 29.18,95.76 71.73,95.76 71.73,101.47 72.68,101.47 72.68,113.54 32.04,113.54 32.04,117.03 24.42,117.03 24.42,146.56 101.26,146.56
5V0_SENS_ISO on L3_PWR: 20.93,107.51 15.85,107.51 15.85,139.89 9.5,139.89 9.5,154.81 79.35,154.81 79.35,151.64 29.18,151.64 29.18,149.73 19.02,149.73 19.02,112.9 24.74,112.9 24.74,101.79 28.55,101.79 28.55,95.12 47.6,95.12 47.6,99.89 56.49,99.89 56.49,91 26.96,91 26.96,99.25 20.93,99.25
-5V0_A on L6_PWR: 126.66,96.71 120.62,96.71 120.62,106.24 102.21,106.24 102.21,109.73 103.48,109.73 103.48,114.81 108.24,114.81 108.24,119.57 98.08,119.57 98.08,120.52 91.73,120.52 91.73,118.3 86.33,118.3 86.33,120.52 83.48,120.52 83.48,118.62 81.25,118.62 81.25,109.73 80.94,109.41 80.3,109.41 79.98,109.09 79.98,102.11 111.1,102.11 111.1,91 126.66,91
-5V0_FE_ISO on L6_PWR: 1.24,108.78 1.24,91 19.66,91 19.66,108.78
AGND on L2_AGND: 25.69,145.29 25.69,118.3 33.31,118.3 33.31,114.81 73.95,114.81 73.95,102.11 111.1,102.11 111.1,91 147.29,91 147.29,157.35 107.29,157.35 107.29,147.19 102.53,147.19 102.53,145.29
AGND on L7_AGND: 25.69,145.29 25.69,118.3 33.31,118.3 33.31,114.81 73.95,114.81 73.95,102.11 111.1,102.11 111.1,91 147.29,91 147.29,157.35 107.61,157.35 107.61,147.19 102.53,147.19 102.53,145.29
AGND_ISO on L2_AGND: 109.83,100.84 72.68,100.84 72.68,113.54 32.04,113.54 32.04,117.03 24.42,117.03 24.42,146.56 101.26,146.56 101.26,148.46 106.34,148.46 106.34,157.35 1.24,157.35 1.24,91 109.83,91
AGND_ISO on L7_AGND: 109.83,91 109.83,100.84 72.68,100.84 72.68,112.79 72.36,113.54 32.04,113.54 32.04,117.03 24.42,117.03 24.42,146.56 101.26,146.56 101.26,148.46 106.34,148.46 106.34,157.35 1.24,157.35 1.24,91
FMC_3V3 on L3_PWR: 111.1,91 111.1,102.11 73.95,102.11 73.95,107.82 119.35,107.82 119.35,95.76 133.96,95.76 133.96,100.2 127.61,100.2 127.61,119.57 126.34,119.57 126.34,123.38 77.13,123.38 77.13,118.94 68.87,118.94 68.87,128.78 57.12,128.78 57.12,119.25 56.81,118.94 47.6,118.94 47.6,129.41 33.63,129.41 33.63,145.29 102.53,145.29 102.53,147.19 107.61,147.19 107.61,157.35 114.59,157.35 114.59,146.88 141.26,146.88 141.26,119.89 133.32,119.89 133.32,108.46 147.29,108.46 147.29,91
FMC_3V3_A on L3_PWR: 122.53,122.75 122.53,118.3 123.8,118.3 123.8,96.39 133.32,96.39 133.32,99.57 126.97,99.57 126.97,118.94 125.7,118.94 125.7,122.75
PHY1_AVDD_1V8 on L3_PWR: 36.8,128.78 36.8,119.25 46.65,119.25 46.65,128.78
PHY1_AVDD_1V8_OUT on L6_PWR: 25.69,135.13 25.69,118.3 32.68,118.3 32.68,120.52 40.3,120.52 40.3,123.06 53,123.06 53,126.87 39.98,126.87 39.98,135.13
PHY1_DVDD_1V0 on L6_PWR: 33.31,119.89 33.31,114.81 46.96,114.81 46.96,122.43 41.25,122.43 41.25,119.89
PHY2_AVDD_1V8 on L3_PWR: 57.76,128.14 57.76,118.94 68.24,118.94 68.24,128.14
PHY2_AVDD_1V8_OUT on L6_PWR: 55.85,123.06 55.85,121.79 73.32,121.79 73.32,126.24 60.93,126.24 60.93,137.35 53.95,137.35 53.95,123.06
PHY2_DVDD_1V0 on L6_PWR: 55.85,121.16 55.85,118.62 69.19,118.62 69.19,121.16
VADJ on L6_PWR: 61.57,126.87 73.95,126.87 73.95,121.16 69.82,121.16 69.82,117.98 55.22,117.98 55.22,122.43 47.6,122.43 47.6,114.81 75.54,114.81 75.54,132.59 113,132.59 113,121.79 129.51,121.79 129.51,120.52 129.8,100.2 136.82,100.2 136.82,117.03 132.69,117.03 132.69,128.14 138.4,128.14 138.4,149.1 113,149.1 113,135.76 69.19,135.76 69.19,145.29 25.69,145.29 25.69,135.76 40.61,135.76 40.61,127.51 53.31,127.51 53.31,138.3 61.57,138.3

## Text on the board
BOTTOM: SECONDARY SIDE
Ref Des/Silkscreen Bottom: 08-036537 REV A
TOP: PRIMARY SIDE | 08-036537 REV A
Ref Des/Silkscreen Top: AD-FMCMOTCON1-EBZ
DIMENSION: 036537 | -.120 | 2.600 | (REF) | "0" | DIA MAX | -5.124 | .724
PAGE_OUTLINE: AD-DMCMOTCON1-EBZ
User.13: 08-      -03 | L2 AGND
User.14: 08-      -04 | L3 PWR
User.15: 08-      -05 | L4 SIG
User.16: L5 SIG | 08-      -06
User.17: 08-      -07 | L6 PWR
User.18: 08-      -08 | L7 AGND
User.20: 100 MICRO INCHES NICKEL/ | HOMOGENOUS MATERIALS IN THIS BOARD SHALL BE COMPLIANT | THE EU RoHS DIRECTIVE 2002/95/EC | ENIG (Electroless Nickel/Immersion Gold) | 2-8 MICRO INCHES GOLD
User.31: SECONDARY SIDE ASSEMBLY
User.45: FIGURE | SIZE | 8.0 | 12.0 | 25.0 | 35.0 | 40.0 | 45.0 | 63.0 | 50.0 | 105.0 | 128.0 | PLATED | NON-PLATED | FINISHED HOLES IN MILS | ALL UNITS ARE IN MILS | QTY | 871 | 55 | 60 | 40 | 8 | 51 | 4 | 2 | TOLERANCE/NOTES
